# Altium PCB ST1-1-BASIS.PcbDoc (part 1 of 7) (continued)
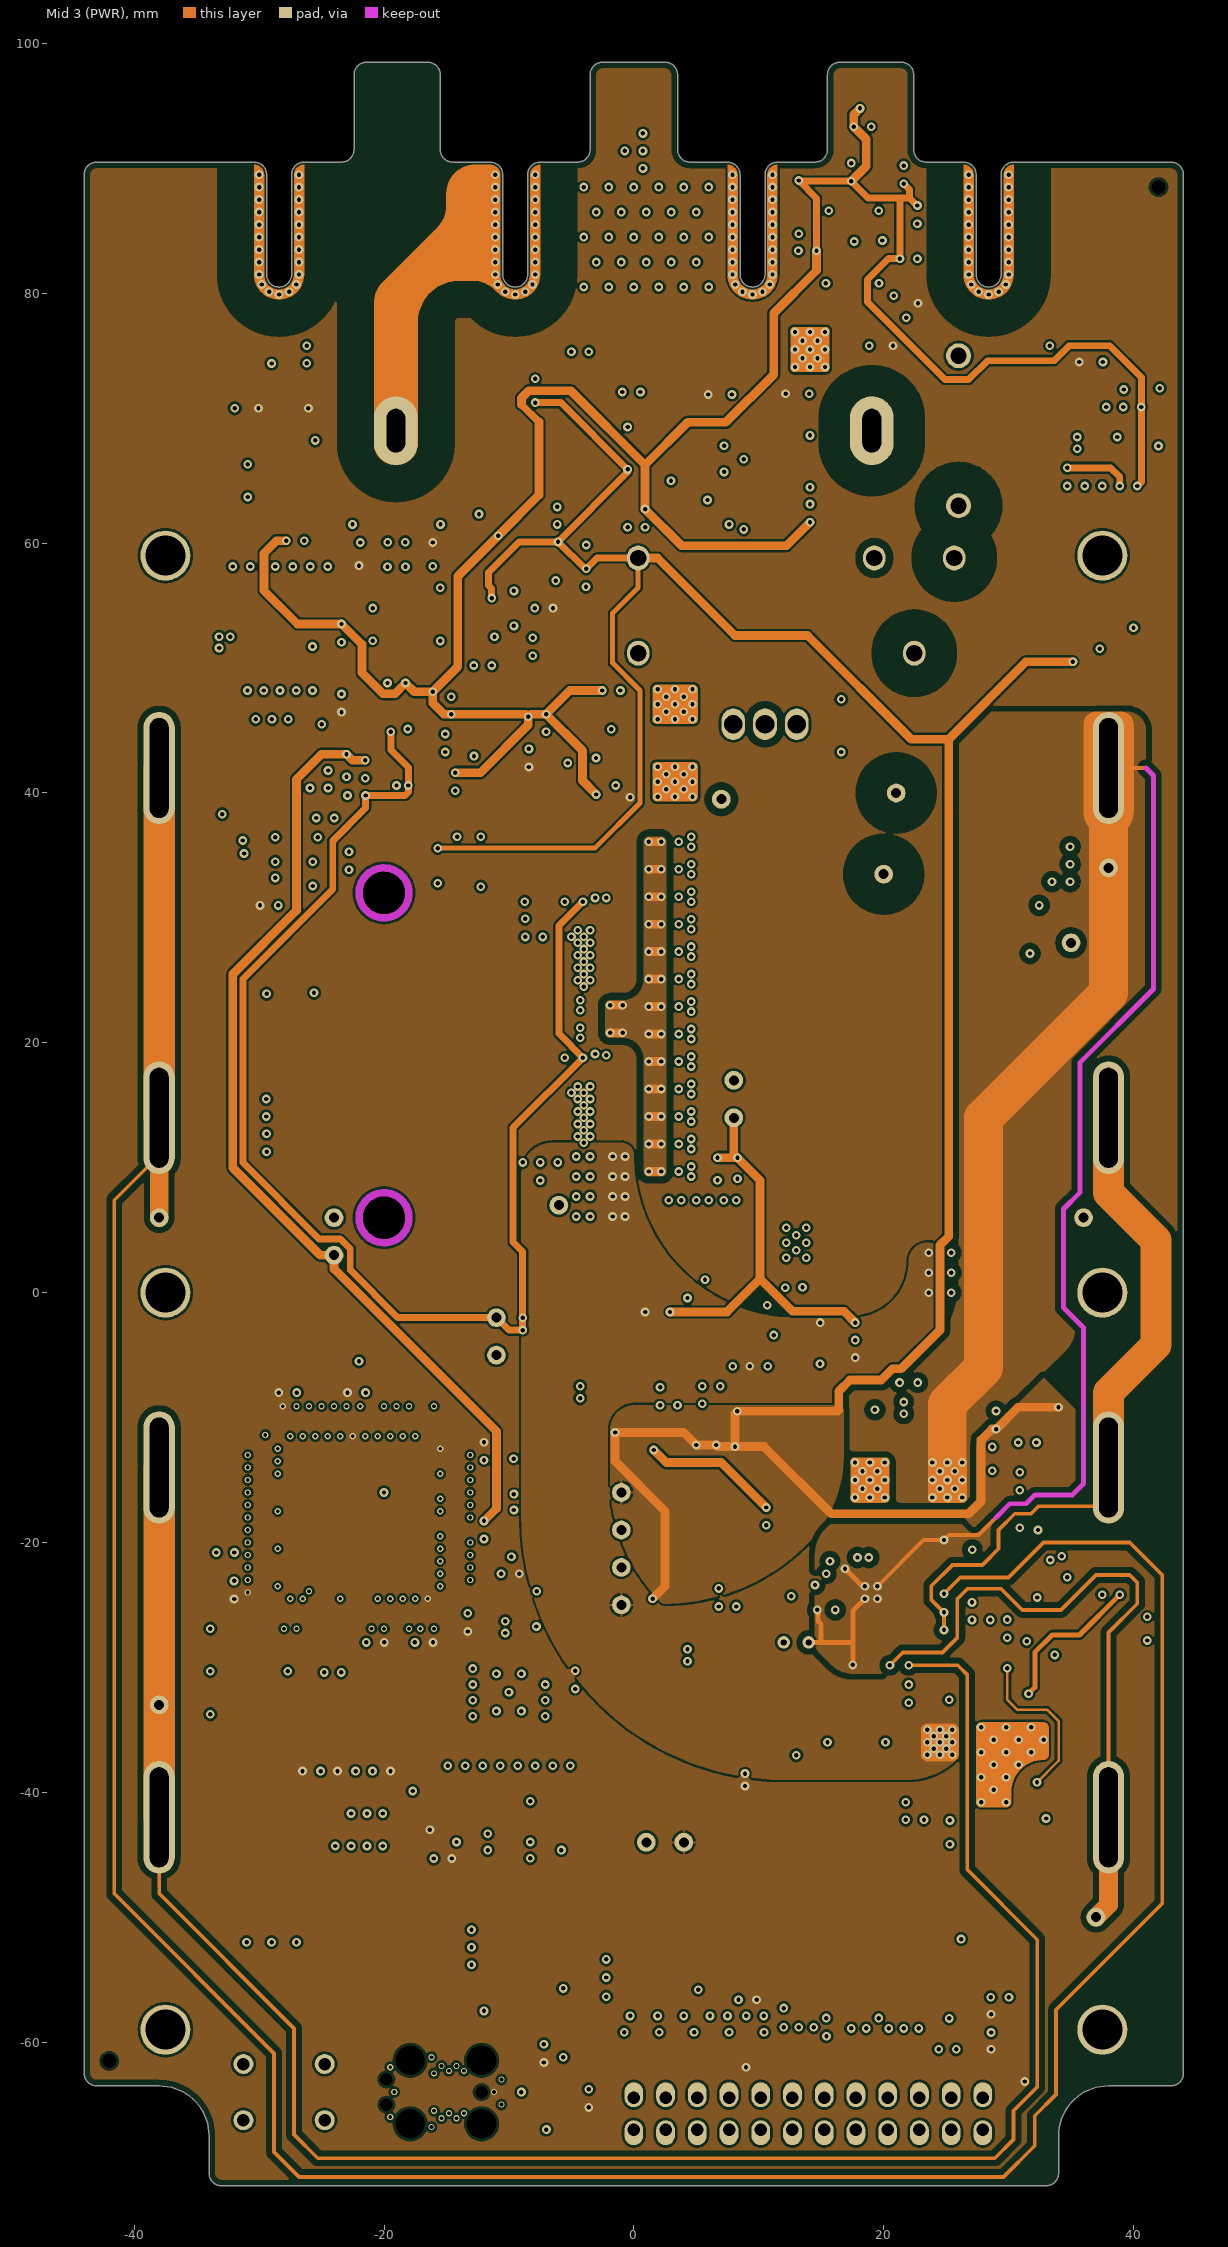
[diagram p4: Mid 3 (PWR)]
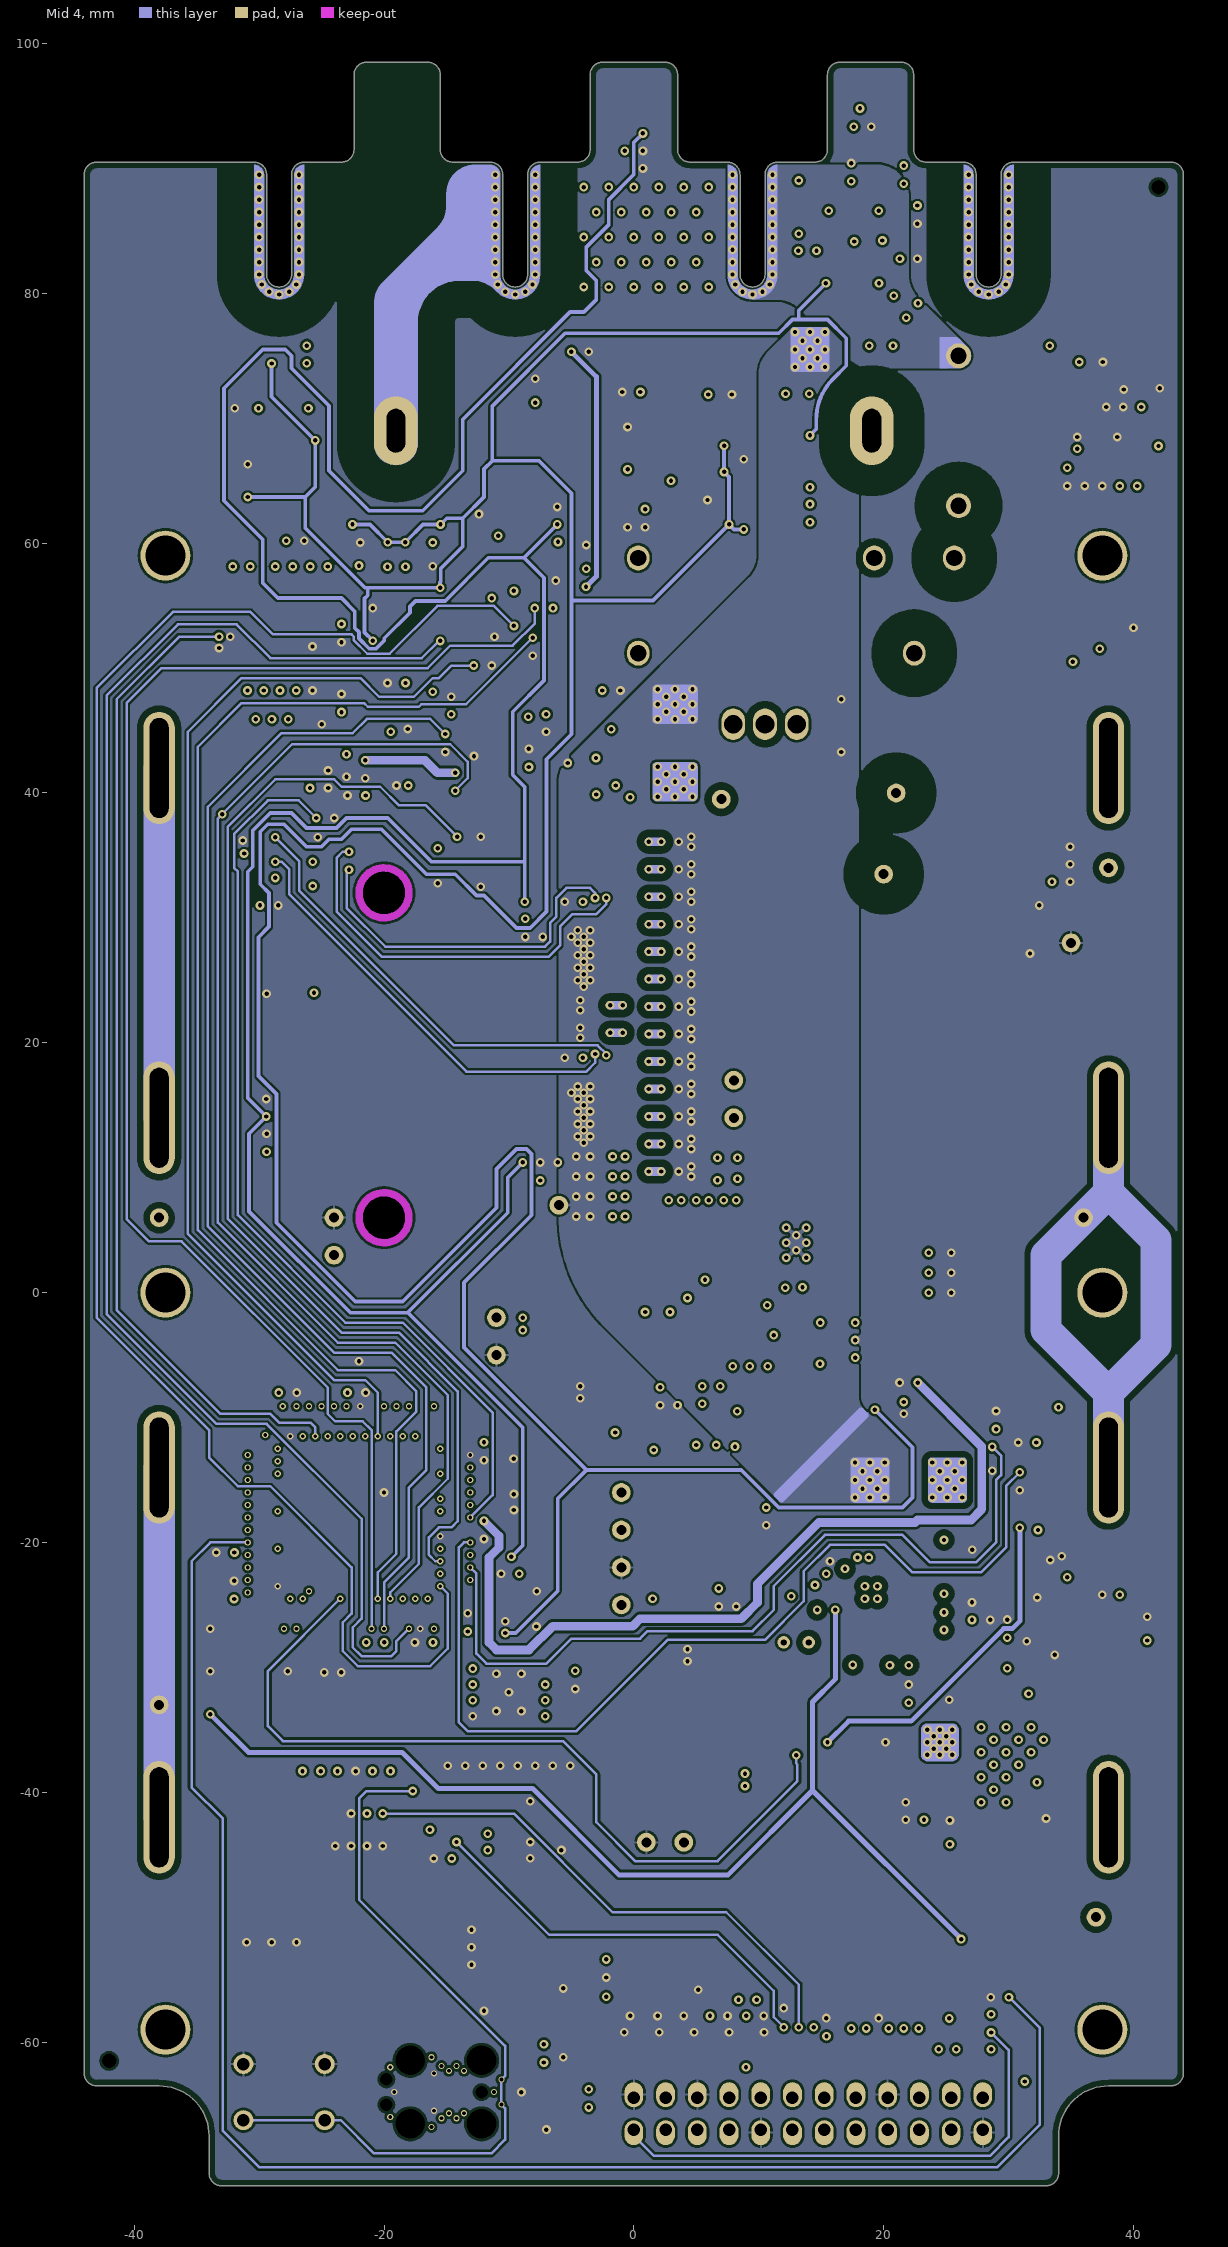
[diagram p5: Mid 4]

## Layer stack, top to bottom
Top Solder: solder mask 0.0102, Solder Resist, Dk 3.5
Top Layer: signal copper 0.035
Dielectric 2: prepreg 0.0994, PP-006, Dk 4.1
Mid 1: signal copper 0.018
Dielectric 1: core 0.55, FR-4, Dk 4.1
Mid 2 (GND): signal copper 0.018
Dielectric 4: prepreg 0.1088, PP-006, Dk 4.1
Mid 3 (PWR): signal copper 0.018
Dielectric 3: core 0.55, FR-4, Dk 4.1
Mid 4: signal copper 0.018
Dielectric 5: prepreg 0.0994, PP-006, Dk 4.1
Bottom Layer: signal copper 0.035
Bottom Solder: solder mask 0.0102, Solder Resist, Dk 3.5

## Board outline
-38,-63.5 cw(c-38,-67.5) -34,-67.5 -34,-70.5 ccw(c-33,-70.5) -33,-71.5 33,-71.5 ccw(c33,-70.5) 34,-70.5 34,-67.5 cw(c38,-67.5) 38,-63.5 43,-63.5 ccw(c43,-62.5) 44,-62.5 44,89.5 ccw(c43,89.5) 43,90.5 30.4,90.5 ccw(c30.4,89.5) 29.4,89.5 29.4,81.5 cw(c28.4,81.5) 27.4,81.5 27.4,89.5 ccw(c26.4,89.5) 26.4,90.5 23.4,90.5 cw(c23.4,91.5) 22.4,91.5 22.4,97.5 ccw(c21.4,97.5) 21.4,98.5 16.5,98.5 ccw(c16.5,97.5) 15.5,97.5 15.5,91.5 cw(c14.5,91.5) 14.5,90.5 11.5,90.5 ccw(c11.5,89.5) 10.5,89.5 10.5,81.5 cw(c9.5,81.5) 8.5,81.5 8.5,89.5 ccw(c7.5,89.5) 7.5,90.5 4.5,90.5 cw(c4.5,91.5) 3.5,91.5 3.5,97.5 ccw(c2.5,97.5) 2.5,98.5 -2.5,98.5 ccw(c-2.5,97.5) -3.5,97.5 -3.5,91.5 cw(c-4.5,91.5) -4.5,90.5 -7.5,90.5 ccw(c-7.5,89.5) -8.5,89.5 -8.5,81.5 cw(c-9.5,81.5) -10.5,81.5 -10.5,89.5 ccw(c-11.5,89.5) -11.5,90.5 -14.5,90.5 cw(c-14.5,91.5) -15.5,91.5 -15.5,97.5 ccw(c-16.5,97.5) -16.5,98.5 -21.4,98.5 ccw(c-21.4,97.5) -22.4,97.5 -22.4,91.5 cw(c-23.4,91.5) -23.4,90.5 -26.4,90.5 ccw(c-26.4,89.5) -27.4,89.5 -27.4,81.5 cw(c-28.4,81.5) -29.4,81.5 -29.4,89.5 ccw(c-30.4,89.5) -30.4,90.5 -38,90.5 -43,90.5 ccw(c-43,89.5) -44,89.5 -44,-62.5 ccw(c-43,-62.5) -43,-63.5

## Design rules (kind name [scope] priority, off if disabled: settings)
BoardOutlineClearance "BoardOutlineClearance Terminals" [InNet('TERM_P') or InNet('TERM_N') or InNet('SENS_P') or InNet('SENS_N')] p1: gap=0.198 ignorepadtopadclearanceinfootprint=FALSE except(0: Arc-SplitContinuation Track-SplitContinuation SMDPad-SplitContinuation THPad-SplitContinuation Via-SplitContinuation Fill-SplitContinuation Poly-SplitContinuation Region-SplitContinuation Text-SplitContinuation)
BoardOutlineClearance [not (InComponent('MOUSE*'))] p2: gap=0.5 ignorepadtopadclearanceinfootprint=FALSE except(0: Arc-SplitContinuation Track-SplitContinuation SMDPad-SplitContinuation THPad-SplitContinuation Via-SplitContinuation Fill-SplitContinuation Poly-SplitContinuation Region-SplitContinuation Text-SplitContinuation)
Clearance Clearance_HV_Curr_Lim [InNet('OUT_HV') vs InNet('ISO_I_SRC')] p1: gap=0.6 ignorepadtopadclearanceinfootprint=FALSE except(0: Arc-Hole Track-Hole SMDPad-Hole THPad-Hole Via-Hole Fill-Hole Poly-Hole Region-Hole Text-Hole)
Clearance Clearance_HV_DIV_3_1 [InNetClass('HV_DIV_3_1') vs InNetClass('Terminal') or InNetClass('HV') or InNetClass('HV_DIV_3_2')] p2: gap=1 ignorepadtopadclearanceinfootprint=TRUE except(0: Arc-Hole Track-Hole SMDPad-Hole THPad-Hole Via-Hole Fill-Hole Poly-Hole Region-Hole Text-Hole)
Clearance Clearance_HV_DIV_3_2 [InNetClass('HV_DIV_3_2') vs InNetClass('HV_DIV_3_1')  or not (InNetClass('Terminal') or InNetClass('HV') or InNetClass('HV_DIV_3_1') or InNetClass('HV_DIV_3_2') or InNetClass('HV_DIV_4_1') or InNetClass('HV_DIV_4_2') or InNetClass('HV_DIV_4_3') or InNetClass('HV_DIV_6_1') or InNetClass('HV_DIV_6_2') or InNetClass('HV_DIV_6_3') or InNetClass('HV_DIV_6_4') or InNetClass('HV_DIV_6_5') or InNetClass('HV_DIV_8_1') or InNetClass('HV_DIV_8_2') or InNetClass('HV_DIV_8_3') or InNetClass('HV_DIV_8_4') or InNetClass('HV_DIV_8_5') or InNetClass('HV_DIV_8_6') or InNetClass('HV_DIV_8_7'))] p3: gap=1 ignorepadtopadclearanceinfootprint=TRUE except(0: Arc-Hole Track-Hole SMDPad-Hole THPad-Hole Via-Hole Fill-Hole Poly-Hole Region-Hole Text-Hole)
Clearance Clearance_HV_DIV_4_1 [InNetClass('HV_DIV_4_1') vs InNetClass('Terminal') or InNetClass('HV') or InNetClass('HV_DIV_4_2')] p4: gap=0.7 ignorepadtopadclearanceinfootprint=TRUE except(0: Arc-Hole Track-Hole SMDPad-Hole THPad-Hole Via-Hole Fill-Hole Poly-Hole Region-Hole Text-Hole)
Clearance Clearance_HV_DIV_4_2 [InNetClass('HV_DIV_4_2') vs InNetClass('HV_DIV_4_1') or InNetClass('HV_DIV_4_2') or InNetClass('HV_DIV_4_3')] p5: gap=0.7 ignorepadtopadclearanceinfootprint=TRUE except(0: Arc-Hole Track-Hole SMDPad-Hole THPad-Hole Via-Hole Fill-Hole Poly-Hole Region-Hole Text-Hole)
Clearance Clearance_HV_DIV_4_3 [InNetClass('HV_DIV_4_3') vs InNetClass('HV_DIV_4_2')  or not (InNetClass('Terminal') or InNetClass('HV') or InNetClass('HV_DIV_3_1') or InNetClass('HV_DIV_3_2') or InNetClass('HV_DIV_4_1') or InNetClass('HV_DIV_4_2') or InNetClass('HV_DIV_4_3') or InNetClass('HV_DIV_6_1') or InNetClass('HV_DIV_6_2') or InNetClass('HV_DIV_6_3') or InNetClass('HV_DIV_6_4') or InNetClass('HV_DIV_6_5') or InNetClass('HV_DIV_8_1') or InNetClass('HV_DIV_8_2') or InNetClass('HV_DIV_8_3') or InNetClass('HV_DIV_8_4') or InNetClass('HV_DIV_8_5') or InNetClass('HV_DIV_8_6') or InNetClass('HV_DIV_8_7'))] p6: gap=0.7 ignorepadtopadclearanceinfootprint=TRUE except(0: Arc-Hole Track-Hole SMDPad-Hole THPad-Hole Via-Hole Fill-Hole Poly-Hole Region-Hole Text-Hole)
Clearance Clearance_HV_DIV_4_1_3 [InNetClass('HV_DIV_4_1') vs InNetClass('HV_DIV_4_3')] p7: gap=1.4 ignorepadtopadclearanceinfootprint=TRUE except(0: Arc-Hole Track-Hole SMDPad-Hole THPad-Hole Via-Hole Fill-Hole Poly-Hole Region-Hole Text-Hole)
Clearance Clearance_HV_DIV_4_2_HV [InNetClass('HV_DIV_4_2') vs InNetClass('Terminal') or InNetClass('HV')  or not (InNetClass('Terminal') or InNetClass('HV') or InNetClass('HV_DIV_3_1') or InNetClass('HV_DIV_3_2') or InNetClass('HV_DIV_4_1') or InNetClass('HV_DIV_4_2') or InNetClass('HV_DIV_4_3') or InNetClass('HV_DIV_6_1') or InNetClass('HV_DIV_6_2') or InNetClass('HV_DIV_6_3') or InNetClass('HV_DIV_6_4') or InNetClass('HV_DIV_6_5') or InNetClass('HV_DIV_8_1') or InNetClass('HV_DIV_8_2') or InNetClass('HV_DIV_8_3') or InNetClass('HV_DIV_8_4') or InNetClass('HV_DIV_8_5') or InNetClass('HV_DIV_8_6') or InNetClass('HV_DIV_8_7'))] p8: gap=1.4 ignorepadtopadclearanceinfootprint=TRUE except(0: Arc-Hole Track-Hole SMDPad-Hole THPad-Hole Via-Hole Fill-Hole Poly-Hole Region-Hole Text-Hole)
Clearance Clearance_HV_DIV-6-1-5 [InNetClass('HV_DIV_6_1') vs not (InNetClass('Terminal') or InNetClass('HV') or  InNetClass('HV_DIV_3_1') or InNetClass('HV_DIV_3_2') or InNetClass('HV_DIV_4_1') or InNetClass('HV_DIV_4_2') or InNetClass('HV_DIV_4_3') or InNetClass('HV_DIV_6_1') or InNetClass('HV_DIV_6_2') or InNetClass('HV_DIV_6_3') or InNetClass('HV_DIV_6_4') or InNetClass('HV_DIV_6_5') or InNetClass('HV_DIV_8_1') or InNetClass('HV_DIV_8_2') or InNetClass('HV_DIV_8_3') or InNetClass('HV_DIV_8_4') or InNetClass('HV_DIV_8_5') or InNetClass('HV_DIV_8_6') or InNetClass('HV_DIV_8_7'))] p9: gap=2.5 ignorepadtopadclearanceinfootprint=TRUE except(0: Arc-Hole Track-Hole SMDPad-Hole THPad-Hole Via-Hole Fill-Hole Poly-Hole Region-Hole Text-Hole)
Clearance Clearance_HV_DIV-6-5-5 [InNetClass('HV_DIV_6_5') vs InNetClass('Terminal') or InNetClass('HV')] p10: gap=2.5 ignorepadtopadclearanceinfootprint=TRUE except(0: Arc-Hole Track-Hole SMDPad-Hole THPad-Hole Via-Hole Fill-Hole Poly-Hole Region-Hole Text-Hole)
Clearance Clearance_HV_DIV-6-1-4 [InNetClass('HV_DIV_6_1') vs InNetClass('HV_DIV_6_5')] p11: gap=2.3 ignorepadtopadclearanceinfootprint=TRUE except(0: Arc-Hole Track-Hole SMDPad-Hole THPad-Hole Via-Hole Fill-Hole Poly-Hole Region-Hole Text-Hole)
Clearance Clearance_HV_DIV-6-2-4 [InNetClass('HV_DIV_6_2') vs not (InNetClass('Terminal') or InNetClass('HV') or  InNetClass('HV_DIV_3_1') or InNetClass('HV_DIV_3_2') or InNetClass('HV_DIV_4_1') or InNetClass('HV_DIV_4_2') or InNetClass('HV_DIV_4_3') or InNetClass('HV_DIV_6_1') or InNetClass('HV_DIV_6_2') or InNetClass('HV_DIV_6_3') or InNetClass('HV_DIV_6_4') or InNetClass('HV_DIV_6_5') or InNetClass('HV_DIV_8_1') or InNetClass('HV_DIV_8_2') or InNetClass('HV_DIV_8_3') or InNetClass('HV_DIV_8_4') or InNetClass('HV_DIV_8_5') or InNetClass('HV_DIV_8_6') or InNetClass('HV_DIV_8_7'))] p12: gap=2.3 ignorepadtopadclearanceinfootprint=TRUE except(0: Arc-Hole Track-Hole SMDPad-Hole THPad-Hole Via-Hole Fill-Hole Poly-Hole Region-Hole Text-Hole)
Clearance Clearance_HV_DIV-6-1-3 [InNetClass('HV_DIV_6_1') vs InNetClass('HV_DIV_6_4')] p13: gap=2.1 ignorepadtopadclearanceinfootprint=TRUE except(0: Arc-Hole Track-Hole SMDPad-Hole THPad-Hole Via-Hole Fill-Hole Poly-Hole Region-Hole Text-Hole)
Clearance Clearance_HV_DIV-6-2-3 [InNetClass('HV_DIV_6_2') vs InNetClass('HV_DIV_6_5')] p14: gap=2.1 ignorepadtopadclearanceinfootprint=TRUE except(0: Arc-Hole Track-Hole SMDPad-Hole THPad-Hole Via-Hole Fill-Hole Poly-Hole Region-Hole Text-Hole)
Clearance Clearance_HV_DIV-6-3-3 [InNetClass('HV_DIV_6_3') vs InNetClass('Terminal') or InNetClass('HV')  or not (InNetClass('Terminal') or InNetClass('HV') or InNetClass('HV_DIV_3_1') or InNetClass('HV_DIV_3_2') or InNetClass('HV_DIV_4_1') or InNetClass('HV_DIV_4_2') or InNetClass('HV_DIV_4_3') or InNetClass('HV_DIV_6_1') or InNetClass('HV_DIV_6_2') or InNetClass('HV_DIV_6_3') or InNetClass('HV_DIV_6_4') or InNetClass('HV_DIV_6_5') or InNetClass('HV_DIV_8_1') or InNetClass('HV_DIV_8_2') or InNetClass('HV_DIV_8_3') or InNetClass('HV_DIV_8_4') or InNetClass('HV_DIV_8_5') or InNetClass('HV_DIV_8_6') or InNetClass('HV_DIV_8_7'))] p15: gap=2.1 ignorepadtopadclearanceinfootprint=TRUE except(0: Arc-Hole Track-Hole SMDPad-Hole THPad-Hole Via-Hole Fill-Hole Poly-Hole Region-Hole Text-Hole)
Clearance Clearance_HV_DIV-6-1-2 [InNetClass('HV_DIV_6_1') vs InNetClass('HV_DIV_6_3')] p16: gap=1.4 ignorepadtopadclearanceinfootprint=TRUE except(0: Arc-Hole Track-Hole SMDPad-Hole THPad-Hole Via-Hole Fill-Hole Poly-Hole Region-Hole Text-Hole)
Clearance Clearance_HV_DIV-6-2-2 [InNetClass('HV_DIV_6_2') vs InNetClass('Terminal') or InNetClass('HV') or InNetClass('HV_DIV_6_4')] p17: gap=1.4 ignorepadtopadclearanceinfootprint=TRUE except(0: Arc-Hole Track-Hole SMDPad-Hole THPad-Hole Via-Hole Fill-Hole Poly-Hole Region-Hole Text-Hole)
Clearance Clearance_HV_DIV-6-3-2 [InNetClass('HV_DIV_6_3') vs InNetClass('HV_DIV_6_1') or InNetClass('HV_DIV_6_5')] p18: gap=1.4 ignorepadtopadclearanceinfootprint=TRUE except(0: Arc-Hole Track-Hole SMDPad-Hole THPad-Hole Via-Hole Fill-Hole Poly-Hole Region-Hole Text-Hole)
Clearance Clearance_HV_DIV-6-4-2 [InNetClass('HV_DIV_6_4') vs InNetClass('HV_DIV_6_2')  or not (InNetClass('Terminal') or InNetClass('HV') or InNetClass('HV_DIV_3_1') or InNetClass('HV_DIV_3_2') or InNetClass('HV_DIV_4_1') or InNetClass('HV_DIV_4_2') or InNetClass('HV_DIV_4_3') or InNetClass('HV_DIV_6_1') or InNetClass('HV_DIV_6_2') or InNetClass('HV_DIV_6_3') or InNetClass('HV_DIV_6_4') or InNetClass('HV_DIV_6_5') or InNetClass('HV_DIV_8_1') or InNetClass('HV_DIV_8_2') or InNetClass('HV_DIV_8_3') or InNetClass('HV_DIV_8_4') or InNetClass('HV_DIV_8_5') or InNetClass('HV_DIV_8_6') or InNetClass('HV_DIV_8_7'))] p19: gap=1.4 ignorepadtopadclearanceinfootprint=TRUE except(0: Arc-Hole Track-Hole SMDPad-Hole THPad-Hole Via-Hole Fill-Hole Poly-Hole Region-Hole Text-Hole)
Clearance Clearance_HV_DIV-6-1 [InNetClass('HV_DIV_6_1') vs InNetClass('Terminal') or InNetClass('HV') or InNetClass('HV_DIV_6_2')] p20: gap=1 ignorepadtopadclearanceinfootprint=TRUE except(0: Arc-Hole Track-Hole SMDPad-Hole THPad-Hole Via-Hole Fill-Hole Poly-Hole Region-Hole Text-Hole)
Clearance Clearance_HV_DIV-6-2 [InNetClass('HV_DIV_6_2') vs InNetClass('HV_DIV_6_1') or InNetClass('HV_DIV_6_3')] p21: gap=1 ignorepadtopadclearanceinfootprint=TRUE except(0: Arc-Hole Track-Hole SMDPad-Hole THPad-Hole Via-Hole Fill-Hole Poly-Hole Region-Hole Text-Hole)
Clearance Clearance_HV_DIV-6-3 [InNetClass('HV_DIV_6_3') vs InNetClass('HV_DIV_6_2') or InNetClass('HV_DIV_6_4')] p22: gap=1 ignorepadtopadclearanceinfootprint=TRUE except(0: Arc-Hole Track-Hole SMDPad-Hole THPad-Hole Via-Hole Fill-Hole Poly-Hole Region-Hole Text-Hole)
Clearance Clearance_HV_DIV-6-4 [InNetClass('HV_DIV_6_4') vs InNetClass('HV_DIV_6_3') or InNetClass('HV_DIV_6_5')] p23: gap=1 ignorepadtopadclearanceinfootprint=TRUE except(0: Arc-Hole Track-Hole SMDPad-Hole THPad-Hole Via-Hole Fill-Hole Poly-Hole Region-Hole Text-Hole)
Clearance Clearance_HV_DIV-6-5 [InNetClass('HV_DIV_6_5') vs InNetClass('HV_DIV_6_4')  or not (InNetClass('Terminal') or InNetClass('HV') or InNetClass('HV_DIV_3_1') or InNetClass('HV_DIV_3_2') or InNetClass('HV_DIV_4_1') or InNetClass('HV_DIV_4_2') or InNetClass('HV_DIV_4_3') or InNetClass('HV_DIV_6_1') or InNetClass('HV_DIV_6_2') or InNetClass('HV_DIV_6_3') or InNetClass('HV_DIV_6_4') or InNetClass('HV_DIV_6_5') or InNetClass('HV_DIV_8_1') or InNetClass('HV_DIV_8_2') or InNetClass('HV_DIV_8_3') or InNetClass('HV_DIV_8_4') or InNetClass('HV_DIV_8_5') or InNetClass('HV_DIV_8_6') or InNetClass('HV_DIV_8_7'))] p24: gap=1 ignorepadtopadclearanceinfootprint=TRUE except(0: Arc-Hole Track-Hole SMDPad-Hole THPad-Hole Via-Hole Fill-Hole Poly-Hole Region-Hole Text-Hole)
Clearance Clearance_HV_DIV-8-1-7 [InNetClass('HV_DIV_8_1') vs not (InNetClass('Terminal') or InNetClass('HV') or  InNetClass('HV_DIV_3_1') or InNetClass('HV_DIV_3_2') or InNetClass('HV_DIV_4_1') or InNetClass('HV_DIV_4_2') or InNetClass('HV_DIV_4_3') or InNetClass('HV_DIV_6_1') or InNetClass('HV_DIV_6_2') or InNetClass('HV_DIV_6_3') or InNetClass('HV_DIV_6_4') or InNetClass('HV_DIV_6_5') or InNetClass('HV_DIV_8_1') or InNetClass('HV_DIV_8_2') or InNetClass('HV_DIV_8_3') or InNetClass('HV_DIV_8_4') or InNetClass('HV_DIV_8_5') or InNetClass('HV_DIV_8_6') or InNetClass('HV_DIV_8_7'))] p25: gap=2.3 ignorepadtopadclearanceinfootprint=TRUE except(0: Arc-Hole Track-Hole SMDPad-Hole THPad-Hole Via-Hole Fill-Hole Poly-Hole Region-Hole Text-Hole)
Clearance Clearance_HV_DIV-8-7-7 [InNetClass('HV_DIV_8_7') vs InNetClass('Terminal') or InNetClass('HV')] p26: gap=2.3 ignorepadtopadclearanceinfootprint=TRUE except(0: Arc-Hole Track-Hole SMDPad-Hole THPad-Hole Via-Hole Fill-Hole Poly-Hole Region-Hole Text-Hole)
Clearance Clearance_HV_DIV-8-1-6 [InNetClass('HV_DIV_8_1') vs InNetClass('HV_DIV_8_7')] p27: gap=2.1 ignorepadtopadclearanceinfootprint=TRUE except(0: Arc-Hole Track-Hole SMDPad-Hole THPad-Hole Via-Hole Fill-Hole Poly-Hole Region-Hole Text-Hole)
Clearance Clearance_HV_DIV-8-2-6 [InNetClass('HV_DIV_8_2') vs not (InNetClass('Terminal') or InNetClass('HV') or  InNetClass('HV_DIV_3_1') or InNetClass('HV_DIV_3_2') or InNetClass('HV_DIV_4_1') or InNetClass('HV_DIV_4_2') or InNetClass('HV_DIV_4_3') or InNetClass('HV_DIV_6_1') or InNetClass('HV_DIV_6_2') or InNetClass('HV_DIV_6_3') or InNetClass('HV_DIV_6_4') or InNetClass('HV_DIV_6_5') or InNetClass('HV_DIV_8_1') or InNetClass('HV_DIV_8_2') or InNetClass('HV_DIV_8_3') or InNetClass('HV_DIV_8_4') or InNetClass('HV_DIV_8_5') or InNetClass('HV_DIV_8_6') or InNetClass('HV_DIV_8_7'))] p28: gap=2.1 ignorepadtopadclearanceinfootprint=TRUE except(0: Arc-Hole Track-Hole SMDPad-Hole THPad-Hole Via-Hole Fill-Hole Poly-Hole Region-Hole Text-Hole)
Clearance Clearance_HV_DIV-8-6-6 [InNetClass('HV_DIV_8_6') vs InNetClass('Terminal') or InNetClass('HV')] p29: gap=2.1 ignorepadtopadclearanceinfootprint=TRUE except(0: Arc-Hole Track-Hole SMDPad-Hole THPad-Hole Via-Hole Fill-Hole Poly-Hole Region-Hole Text-Hole)
Clearance Clearance_HV_DIV-8-1-5 [InNetClass('HV_DIV_8_1') vs InNetClass('HV_DIV_8_6')] p30: gap=1.9 ignorepadtopadclearanceinfootprint=TRUE except(0: Arc-Hole Track-Hole SMDPad-Hole THPad-Hole Via-Hole Fill-Hole Poly-Hole Region-Hole Text-Hole)
Clearance Clearance_HV_DIV-8-2-5 [InNetClass('HV_DIV_8_2') vs InNetClass('HV_DIV_8_7')] p31: gap=1.9 ignorepadtopadclearanceinfootprint=TRUE except(0: Arc-Hole Track-Hole SMDPad-Hole THPad-Hole Via-Hole Fill-Hole Poly-Hole Region-Hole Text-Hole)
Clearance Clearance_HV_DIV-8-3-5 [InNetClass('HV_DIV_8_3') vs not (InNetClass('Terminal') or InNetClass('HV') or  InNetClass('HV_DIV_3_1') or InNetClass('HV_DIV_3_2') or InNetClass('HV_DIV_4_1') or InNetClass('HV_DIV_4_2') or InNetClass('HV_DIV_4_3') or InNetClass('HV_DIV_6_1') or InNetClass('HV_DIV_6_2') or InNetClass('HV_DIV_6_3') or InNetClass('HV_DIV_6_4') or InNetClass('HV_DIV_6_5') or InNetClass('HV_DIV_8_1') or InNetClass('HV_DIV_8_2') or InNetClass('HV_DIV_8_3') or InNetClass('HV_DIV_8_4') or InNetClass('HV_DIV_8_5') or InNetClass('HV_DIV_8_6') or InNetClass('HV_DIV_8_7'))] p32: gap=1.9 ignorepadtopadclearanceinfootprint=TRUE except(0: Arc-Hole Track-Hole SMDPad-Hole THPad-Hole Via-Hole Fill-Hole Poly-Hole Region-Hole Text-Hole)
Clearance Clearance_HV_DIV-8-5-5 [InNetClass('HV_DIV_8_5') vs InNetClass('Terminal') or InNetClass('HV')] p33: gap=1.9 ignorepadtopadclearanceinfootprint=TRUE except(0: Arc-Hole Track-Hole SMDPad-Hole THPad-Hole Via-Hole Fill-Hole Poly-Hole Region-Hole Text-Hole)
Clearance Clearance_HV_DIV-8-1-4 [InNetClass('HV_DIV_8_1') vs InNetClass('HV_DIV_8_5')] p34: gap=1.6 ignorepadtopadclearanceinfootprint=TRUE except(0: Arc-Hole Track-Hole SMDPad-Hole THPad-Hole Via-Hole Fill-Hole Poly-Hole Region-Hole Text-Hole)
Clearance Clearance_HV_DIV-8-2-4 [InNetClass('HV_DIV_8_2') vs InNetClass('HV_DIV_8_6')] p35: gap=1.6 ignorepadtopadclearanceinfootprint=TRUE except(0: Arc-Hole Track-Hole SMDPad-Hole THPad-Hole Via-Hole Fill-Hole Poly-Hole Region-Hole Text-Hole)
Clearance Clearance_HV_DIV-8-3-4 [InNetClass('HV_DIV_8_3') vs InNetClass('HV_DIV_8_7')] p36: gap=1.6 ignorepadtopadclearanceinfootprint=TRUE except(0: Arc-Hole Track-Hole SMDPad-Hole THPad-Hole Via-Hole Fill-Hole Poly-Hole Region-Hole Text-Hole)
Clearance Clearance_HV_DIV-8-4-4 [InNetClass('HV_DIV_8_4') vs InNetClass('Terminal') or InNetClass('HV')  or not (InNetClass('Terminal') or InNetClass('HV') or InNetClass('HV_DIV_3_1') or InNetClass('HV_DIV_3_2') or InNetClass('HV_DIV_4_1') or InNetClass('HV_DIV_4_2') or InNetClass('HV_DIV_4_3') or InNetClass('HV_DIV_6_1') or InNetClass('HV_DIV_6_2') or InNetClass('HV_DIV_6_3') or InNetClass('HV_DIV_6_4') or InNetClass('HV_DIV_6_5') or InNetClass('HV_DIV_8_1') or InNetClass('HV_DIV_8_2') or InNetClass('HV_DIV_8_3') or InNetClass('HV_DIV_8_4') or InNetClass('HV_DIV_8_5') or InNetClass('HV_DIV_8_6') or InNetClass('HV_DIV_8_7'))] p37: gap=1.6 ignorepadtopadclearanceinfootprint=TRUE except(0: Arc-Hole Track-Hole SMDPad-Hole THPad-Hole Via-Hole Fill-Hole Poly-Hole Region-Hole Text-Hole)
Clearance Clearance_HV_DIV-8-1-3 [InNetClass('HV_DIV_8_1') vs InNetClass('HV_DIV_8_4')] p38: gap=1.3 ignorepadtopadclearanceinfootprint=TRUE except(0: Arc-Hole Track-Hole SMDPad-Hole THPad-Hole Via-Hole Fill-Hole Poly-Hole Region-Hole Text-Hole)
Clearance Clearance_HV_DIV-8-2-3 [InNetClass('HV_DIV_8_2') vs InNetClass('HV_DIV_8_5')] p39: gap=1.3 ignorepadtopadclearanceinfootprint=TRUE except(0: Arc-Hole Track-Hole SMDPad-Hole THPad-Hole Via-Hole Fill-Hole Poly-Hole Region-Hole Text-Hole)
Clearance Clearance_HV_DIV-8-3-3 [InNetClass('HV_DIV_8_3') vs InNetClass('Terminal') or InNetClass('HV') or InNetClass('HV_DIV_8_6')] p40: gap=1.3 ignorepadtopadclearanceinfootprint=TRUE except(0: Arc-Hole Track-Hole SMDPad-Hole THPad-Hole Via-Hole Fill-Hole Poly-Hole Region-Hole Text-Hole)